# KiCad board mtt_final.kicad_pcb (continued)
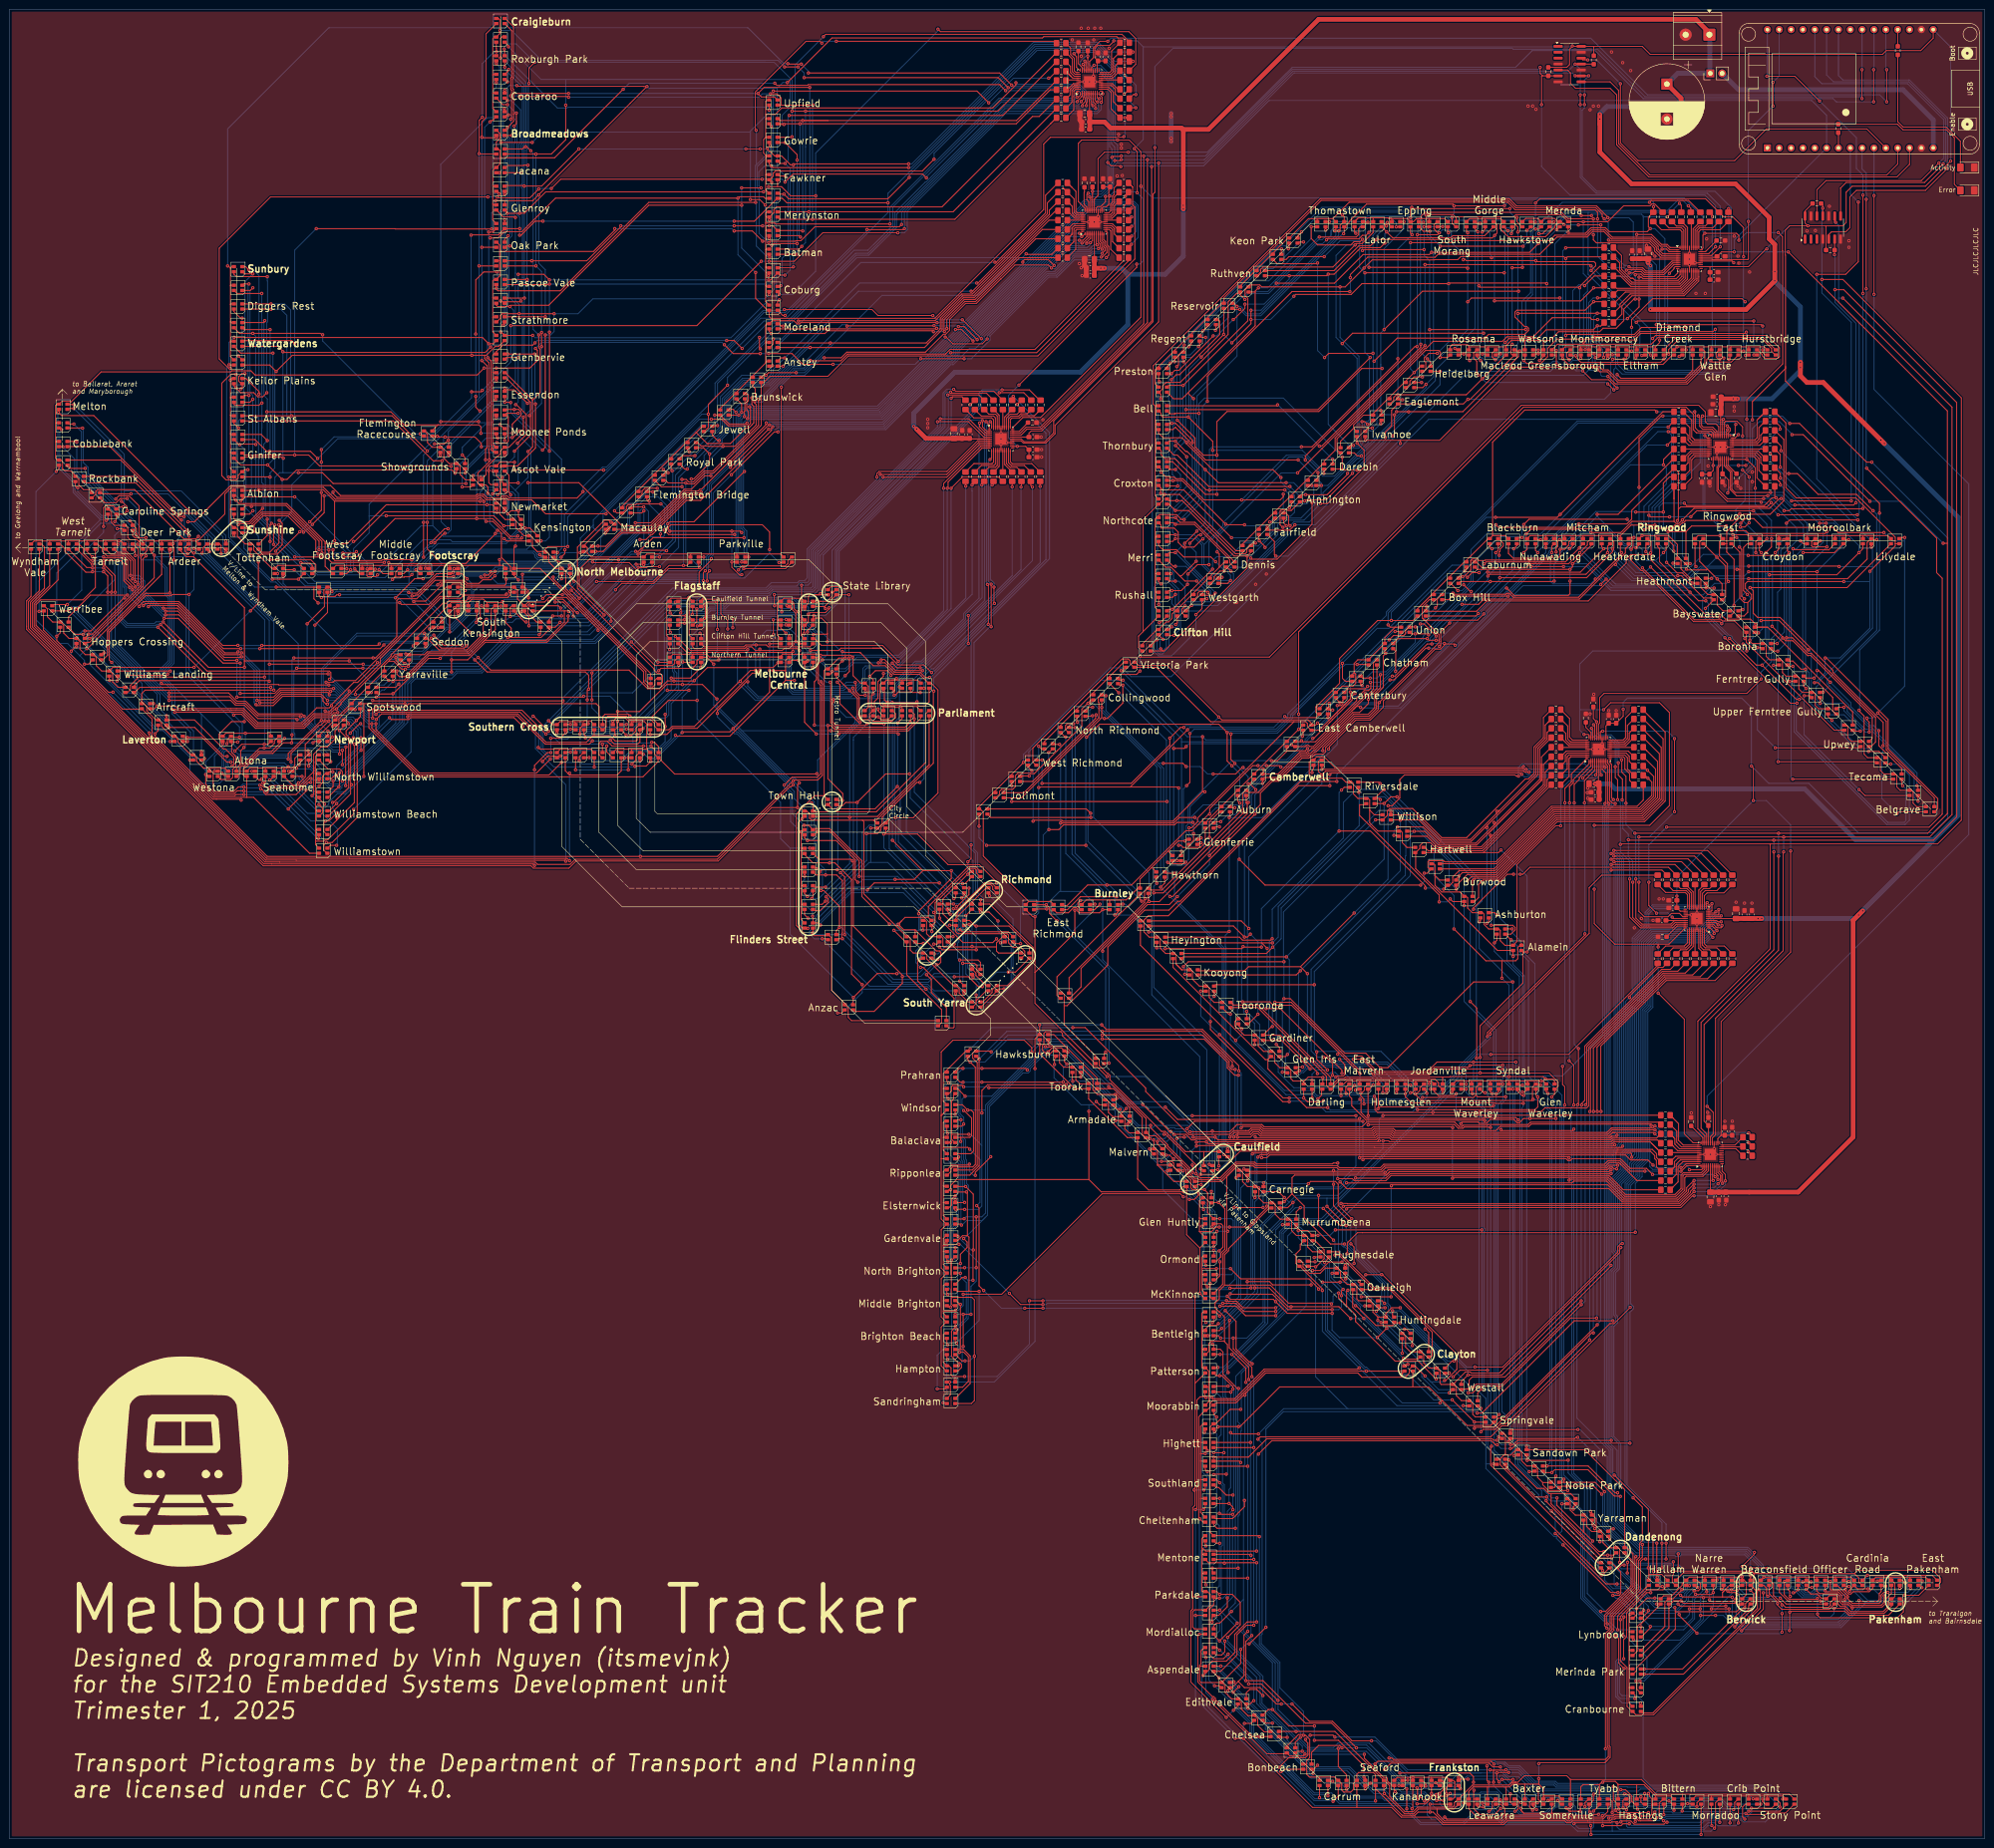
[diagram p0: board, top side]
## Routing (per net, layer and track width the routed paths; a pad name or vN(x,y) marks a point on that pad's centre or on a via; arc(x,y) is an arc through that point) (continued)
Net-(D293-BK): length 466.8
  Top w0.2: v1(250.4,202.1) 248.7,200.4 244.03,200.4 234.4,190.77 v1(234.4,190.4) ; D323.2 329.4,277.01 v1(329.42,276.99) ; v1(257.3,214.8) 257.3,218.17 259.43,220.3 D341.2 ; 302.95,261.88 306.5,258.33 306.5,257.07 306.5,257.07 306.5,256.57 293.53,243.6 293.53,242.29 291.63,240.4 288.53,240.4 282.2,234.07 282.2,233.15 281.74,232.69 280,232.69 279.36,232.05 279.34,232.05 279.34,232.05 278.85,232.05 278.6,231.8 277.1,231.8 272.15,226.85 270.77,226.85 268.21,224.29 268.21,221.81 266.81,220.41 266.8,220.41 266.45,220.06 266.45,220.05 v1(257.3,210.9) ; 302.95,261.88 303.43,261.4 314.77,261.4 v1(316.12,262.75) ; 302.95,261.88 302.95,264.31 304.44,265.8 D329.2 ; D431.2 255.83,143.57 255.49,143.57 v1(255.38,143.68) ; v1(374.78,255.52) 375.68,255.52 ; D299.2 224.57,198.63 227.05,198.63 228.18,199.77 228.68,199.77 229.04,199.42 229.04,198.98 229.38,198.63 233.74,198.63 v1(234.41,199.3) 235.9,199.3 ; v1(355.47,298.98) 356.61,300.12 ; 284.4,244.6 v1(285.3,243.7) ; v1(378.59,275.89) 379.4,276.7 D353.2 ; D293.2 226.35,236.35 v1(226.5,236.35) ; v1(378.59,234.03) 396.63,234.03 D305.2 ; v1(326.25,272.9) v1(333.2,272.9) ; v1(363.7,265.56) 362.17,265.56 v1(360.32,267.42) 353.8,273.93 353.8,276.73 353.4,277.13 D317.2
  Bottom w0.2: v1(378.59,275.89) 377,274.3 377,271.62 376.75,271.37 376.75,256.07 376.2,255.52 v1(374.78,255.52) ; v1(333.2,272.9) 338.23,272.9 343.33,267.8 359.9,267.8 360.3,267.4 ; v1(374.78,255.52) 374.78,237.84 v1(378.59,234.03) ; v1(374.78,255.52) 371.35,255.52 369.4,257.47 369.4,257.75 369.05,258.1 368.76,258.1 364.27,262.6 364.27,264.99 v1(363.7,265.56) ; v1(355.47,298.98) 351.15,298.98 329.77,277.6 329.75,277.6 329.42,277.27 v1(329.42,276.99) 329.4,276.97 329.4,275.9 326.4,272.9 v1(326.25,272.9) 326.25,272.6 321.27,267.62 320.99,267.62 316.39,263.02 316.39,263.01 v1(316.12,262.75) ; v1(257.3,214.8) 257.3,209 v1(250.4,202.1) ; v1(255.38,143.68) 255.32,143.68 255.21,143.79 255.21,167.78 234.41,188.58 v1(234.41,199.3) 234.44,199.33 234.44,203.42 226.5,211.36 v1(226.5,236.35) ; v1(285.3,243.7) 293.69,243.7 v1(293.72,243.74)
Net-(D293-GK): length 454.7
  Top w0.2: 331.29,278.9 331.99,278.2 331.99,277.23 331.61,276.85 v1(331.61,276.03) ; v1(296.5,249.4) 297.1,249.4 304,256.3 v1(305,256.3) ; v1(350.45,280.75) 350.65,280.75 351.01,281.12 356.42,281.12 v1(356.55,281.25) 357.1,281.8 357.13,281.8 357.2,281.74 358.08,281.74 358.66,282.31 358.94,282.31 359.29,282.66 359.29,282.8 369.5,282.8 370.95,284.25 v1(371,284.25) ; v1(282.85,233.75) 283,233.9 283,234.3 288.7,240 291.8,240 294.6,242.8 294.6,244.1 305.69,255.2 306.85,255.2 307.67,256.02 v1(307.67,256.43) 307.8,256.3 309.7,256.3 v1(309.97,256.03) ; D335.4 287,246.7 290.7,246.7 v1(291.2,247.2) ; v1(302.5,260.6) 303.3,260.6 v1(305.9,258) ; D353.4 380.6,278.9 v1(380.4,278.7) ; 307.13,266.9 306.15,265.92 306.15,264.45 v1(305.75,264.05) ; v1(257.25,144.65) 257.51,144.4 257.79,144.4 ; v1(356.84,276.19) 356.84,277.39 355.33,278.9 ; v1(238.73,200.49) 237.79,200.49 ; D311.4 v1(379,256.4) ; v1(262.73,221.16) 261.94,221.16 ; 356.38,297.61 R91.2 356.38,297.61 ; 356.38,297.61 354.64,295.86 v1(354.64,294.73) ; v1(272.6,229.9) 272.3,230.2 v1(269.5,230.2) ; v1(267.7,230.2) 266.6,230.2 257.35,220.95 v1(257.35,219.8) 257.14,219.8 253.57,216.23 252.23,216.23 240.59,204.59 v1(235.32,204.59) 231.18,204.59 226.76,200.17 225.93,200.17 ; D305.4 399.4,236.1 399.4,240.67 386.24,253.83 385.63,253.83 385.58,253.78 382.35,257 380.79,257 v1(380.2,257.6) 380.2,257.8 v1(377.9,260.1) ; v1(228.5,238.37) 227.23,238.37
  Bottom w0.2: v1(356.55,281.25) 356.55,276.48 v1(356.84,276.19) ; 331.61,276.7 331.61,278.8 347.54,294.73 v1(354.64,294.73) 355.24,294.13 355.24,290.6 350.45,285.81 v1(350.45,280.75) ; 331.61,276.7 v1(331.61,276.03) ; 331.61,276.7 330.64,276.7 330.08,276.14 330.08,275.86 321.44,267.22 321.16,267.22 316.72,262.79 316.72,262.5 310.25,256.03 v1(309.97,256.03) ; v1(305.75,264.05) 302.5,260.8 v1(302.5,260.6) ; v1(380.4,278.7) 379.91,278.21 379.21,278.21 ; v1(262.73,221.16) 258.71,221.16 v1(257.35,219.8) ; v1(291.2,247.2) 293.69,247.2 295.89,249.4 v1(296.5,249.4) ; v1(305.9,258) 305,257.1 v1(305,256.3) 305.13,256.43 v1(307.67,256.43) ; v1(377.9,260.1) 378,260.2 378,274.2 377.96,274.24 379.21,275.49 379.21,278.21 ; v1(282.85,233.75) 279,229.9 v1(272.6,229.9) ; v1(371,284.25) 371,283.4 376.19,278.21 379.21,278.21 ; v1(380.2,257.6) v1(379,256.4) ; v1(257.25,144.65) 257.32,144.72 257.32,150.17 256.73,150.76 256.73,169.23 244.93,181.03 244.93,194.82 239.26,200.49 v1(238.73,200.49) 238.73,201.65 235.8,204.59 v1(235.32,204.59) 228.5,211.41 v1(228.5,238.37) ; v1(267.7,230.2) v1(269.5,230.2)
Net-(D293-RK): length 434.7
  Top w0.2: v1(379.12,254.76) 378.24,254.76 D311.1 ; D323.1 330.68,277.28 v1(330.68,275.89) ; v1(261.54,194.64) 261.41,194.5 v1(244.29,194.5) ; 356.29,295.52 R90.2 356.29,295.52 ; 356.29,295.52 354.64,293.86 354.64,293.84 344.92,284.11 v1(340.42,284.11) ; D353.1 381.2,276.28 v1(381.59,275.89) 380.99,275.29 372.81,275.29 v1(372.8,275.3) ; D305.1 399.15,234.3 400.1,235.25 400.1,240.53 386.37,254.26 385.66,254.26 382.29,257.63 v1(381.02,257.63) ; D317.1 355.2,276.46 v1(354.64,275.89) ; D335.1 286.2,244.5 285.9,244.2 285.9,243.45 285.55,243.1 285.05,243.1 v1(284.7,243.1) ; 258.12,143.52 v1(259.08,143.52) ; v1(237.01,198.14) 237.7,198.83 D347.1 ; v1(237.4,202.07) 229.61,202.07 226.84,199.3 D299.1 ; v1(228.16,239.18) 226.8,239.18 226.43,238.82 226.43,237.96 227.09,237.3 ; D329.1 308.6,265.8 309.35,266.56 v1(321.34,266.56) ; D341.1 261.7,219.21 v1(261.54,219.06)
  Bottom w0.2: v1(381.59,275.89) 381.02,275.33 v1(381.02,257.63) 380.87,257.48 380.87,256.51 v1(379.12,254.76) ; 261.54,219.05 v1(261.54,194.64) 260.7,193.79 260.7,191.4 260.86,191.24 260.86,149.64 262.3,148.2 262.3,146.37 259.45,143.52 v1(259.08,143.52) ; 261.54,219.05 v1(261.54,219.06) ; 261.54,219.05 268.6,219.05 279.05,229.5 279.45,229.5 284.7,234.75 v1(284.7,243.1) 286,243.1 286.2,243.3 292.8,243.3 293.12,242.98 297.77,242.98 v1(321.34,266.56) v1(330.68,275.89) 331.17,275.4 332.12,275.4 340.42,283.7 ; 340.42,283.7 v1(340.42,284.11) ; 340.42,283.7 346.39,277.73 348.88,277.73 350.08,276.53 350.08,275.19 351.08,274.19 352.94,274.19 ; 352.94,274.19 354.11,273.02 359.75,273.02 359.88,272.88 360.53,272.88 363.17,275.52 372.58,275.52 v1(372.8,275.3) ; 352.94,274.19 v1(354.64,275.89) ; 237.01,202.07 v1(237.4,202.07) ; 237.01,202.07 v1(237.01,198.14) 240.65,198.14 v1(244.29,194.5) ; 237.01,202.07 236.99,202.07 227.84,211.22 227.84,238.86 v1(228.16,239.18)
Net-(D294-BK): length 442.8
  Top w0.2: v1(229.65,201.26) 229.59,201.26 229.11,200.78 229.11,199.97 229.78,199.3 ; v1(228.43,199.17) 228.43,194.37 219.89,185.82 ; D294.2 221.25,233.8 v1(220.68,234.37) ; v1(348.76,276.94) 349.4,277.58 ; v1(325.19,279.89) 326.21,280.91 335.93,280.91 336.02,281 340.07,281 v1(340.08,280.99) ; 232.82,166.3 219.89,179.23 219.89,185.82 ; 372.4,257.45 372.4,256.65 391.25,237.8 D306.2 ; 372.4,257.45 D312.2 ; 372.4,257.45 v1(372.08,257.45) ; v1(324.69,275.89) 325.4,276.6 D324.2 ; 219.89,185.82 v1(219.89,197.8) 219.4,197.8 D300.2 ; v1(318.64,283.46) 331.86,283.46 v1(332.5,284.1) 354.52,306.12 R95.2 ; D330.2 300.95,261.35 v1(296.3,261.35) 293.35,261.35 285.2,253.2 285.2,247.87 283.65,246.32 283.65,246.31 280.39,243.05 280.38,243.05 280.15,242.82 280.15,242.81 280.12,242.79 280.12,241.63 280.45,241.3 D336.2 280.1,240.5 273.8,240.5 273.5,240.8 ; v1(252.6,237.9) 240.3,225.6 ; 240.3,225.6 250.5,225.6 v1(250.7,225.4) ; 240.3,225.6 220.7,225.6 ; v1(350.13,272.62) 361.27,261.48 367.05,261.48 367.3,261.23 369.87,261.23 372.3,258.8 ; v1(250.7,213.1) 251.2,213.1 251.65,212.65 255.36,212.65 256.4,213.69 D342.2 ; v1(372.6,266.92) 371.8,267.73 371.8,277 372.6,277.8 D354.2
  Bottom w0.2: v1(229.65,201.26) 228.43,200.05 v1(228.43,199.17) ; v1(220.68,234.37) v1(220.68,225.5) 220.68,198.6 v1(219.89,197.8) ; v1(372.6,266.92) 373.25,266.27 373.25,258.63 v1(372.08,257.45) ; v1(318.64,283.46) 316.66,283.46 296.3,263.1 296.3,261.4 ; v1(252.6,237.9) 253.1,238.4 271.1,238.4 v1(273.45,240.75) ; v1(340.08,280.99) 342.56,280.99 346.22,277.33 346.77,277.33 348.37,277.33 v1(348.76,276.94) 348.76,273.99 v1(350.13,272.62) ; v1(250.7,225.4) v1(250.7,213.1) ; v1(324.69,275.89) 325.19,276.39 v1(325.19,279.89) 328.29,279.89 v1(332.5,284.1)
Net-(D294-GK): length 404.5
  Top w0.2: 376.9,259.9 374.42,259.9 v1(374.42,260.5) 373.29,261.63 367.92,261.63 366.86,262.69 363.58,262.69 351.97,274.3 351.97,275.48 ; v1(355.63,302.83) 355.63,302.85 R94.2 ; v1(374.42,275.9) 374.42,278.23 375.09,278.9 ; v1(303.9,264.42) 303.7,264.21 D330.4 ; v1(328.3,278.68) 327.42,278.68 ; 303.79,263.31 314.56,263.31 316.76,265.52 338.52,265.52 346.65,273.65 346.65,274.5 347.63,275.48 351.97,275.48 ; v1(225.39,217.89) 225.42,217.85 225.42,218.09 225.47,218.09 225.67,217.88 249.63,217.88 250.83,219.08 v1(254.16,219.08) ; v1(283.71,242.13) 282.97,242.13 282.84,242.26 282.84,243.46 v1(282.97,243.59) ; 351.97,275.48 351.97,275.75 v1(351.88,275.84) 351.98,275.94 351.98,278.2 351.28,278.9 ; v1(232.76,200.47) 231.77,200.47 ; D312.4 377,259.9 395.2,241.7 D306.4 ; v1(259.72,218.18) 258.48,218.18 D342.4 ; v1(235.05,168.75) 234.7,168.39 D432.4 ; v1(225.16,234.76) 223.84,234.76 ; v1(224.61,196.89) 223.02,198.48 223.02,199.71 222.38,200.35 v1(222.3,200.35) 219.75,200.35
  Bottom w0.2: v1(303.9,264.42) 303.9,263.76 300.71,260.56 300.21,260.56 283.24,243.59 v1(282.97,243.59) ; v1(232.76,200.47) 230.01,203.22 225.39,203.22 ; v1(235.05,168.75) 235.05,186.44 v1(224.61,196.89) ; v1(254.16,219.08) 255.06,218.18 v1(259.72,218.18) 261.2,219.66 262.74,219.66 265.02,221.94 265.02,224.27 271.82,231.07 274.03,231.07 278.22,235.26 278.22,235.65 282.47,239.9 282.95,239.9 283.3,240.25 283.3,241.51 283.71,241.92 v1(283.71,242.13) ; 225.39,203.22 225.16,203.22 v1(222.3,200.35) ; 225.39,203.22 v1(225.39,217.89) 225.39,234.53 v1(225.16,234.76) ; v1(374.42,275.9) 374.95,275.37 374.95,261.03 v1(374.42,260.5) ; v1(351.88,275.84) 352.2,276.17 352.2,285.6 356.74,290.14 356.74,301.71 v1(355.63,302.83) 352.45,302.83 v1(328.3,278.68)
Net-(D294-RK): length 405.9
  Top w0.2: v1(259.43,217.08) 258.48,217.08 D342.1 ; v1(350.86,276.11) 350.86,277.46 D318.1 ; v1(375.6,275.89) 375.2,276.29 D354.1 375.7,277.8 v1(376.8,278.9) ; v1(222.82,233.02) 222.92,233.02 D294.1 ; v1(327.69,275.89) 327.2,276.38 D324.1 ; v1(314.92,262.83) 314.39,262.3 D330.1 ; v1(360.5,283.6) 361.75,284.85 v1(373.95,284.85) ; v1(233.83,200.47) 232.66,199.3 D348.1 ; v1(355.67,301.85) 356.63,301.85 ; v1(375.55,261.32) 379.45,261.32 v1(385.72,255.05) ; v1(375,258.7) 374.3,258.7 ; v1(235.75,166.38) 234.78,166.38 ; v1(222.88,216.48) 224.99,216.48 226,217.48 249.8,217.48 250.33,218.01 v1(253.75,218.01) ; v1(351.5,283.9) 351.85,283.55 v1(355.95,283.55) ; v1(222.42,199.45) 219.85,199.45 ; v1(282.7,240.5) D336.1 ; v1(396.86,237.61) 395.39,237.61
  Bottom w0.2: v1(373.95,284.85) 376.8,282 v1(376.8,278.9) ; 227.89,194.53 v1(233.83,200.47) ; 227.89,194.53 222.96,199.45 v1(222.42,199.45) 222.33,199.45 221.65,200.13 221.65,215.3 222.82,216.48 ; 227.89,194.53 227.89,194.53 235.75,186.66 v1(235.75,166.38) ; 375.87,261.32 375.87,259.57 v1(375,258.7) ; 375.87,261.32 375.87,275.62 v1(375.6,275.89) ; 375.87,261.32 v1(375.55,261.32) ; v1(222.82,233.02) 222.82,216.48 ; 222.82,216.48 v1(222.88,216.48) ; v1(360.5,283.6) 356,283.6 v1(355.95,283.55) ; v1(259.43,217.08) 258.93,217.58 254.19,217.58 v1(253.75,218.01) 253.56,218.21 253.56,219.37 255.97,221.78 263.2,221.78 263.5,221.49 264.01,221.49 264.62,222.1 264.62,224.43 271.66,231.47 273.86,231.47 277.82,235.42 277.82,235.82 282.5,240.5 v1(282.7,240.5) 282.81,240.61 282.81,242.55 285.32,245.05 297.15,245.05 v1(314.92,262.83) 314.92,263.12 327.69,275.89 v1(327.69,275.89) 327.69,276.11 353.43,301.85 v1(355.67,301.85) 356.33,301.19 356.33,290.71 351.5,285.88 v1(351.5,283.9) 351.5,276.75 v1(350.86,276.11) ; v1(396.86,237.61) 393.37,241.1 389.82,241.1 386.33,244.59 386.33,254.44 v1(385.72,255.05)
Net-(D357-BK): length 452.8
  Top w0.2: v1(304.7,160.8) D375.2 305.5,160.3 306.38,159.42 309.82,159.42 v1(310.2,159.8) ; D411.2 348.7,26.6 352.54,26.6 375.4,49.46 375.4,53.1 v1(375.06,53.44) ; 281.34,160.64 281.34,159.5 v1(280.55,158.71) ; D393.2 409.38,52.23 v1(406.3,52.23) ; v1(331.57,77.79) 331.38,77.6 331.38,75.48 331.25,75.35 D423.2 ; v1(322.4,189.3) D357.2 319.05,190.55 301.51,208.09 301.51,211.55 302.4,212.44 302.4,213.02 303.02,213.64 304.71,213.64 306,212.35 315.71,212.35 329.3,225.94 329.3,228.81 R99.2 ; v1(329.85,159.87) 329.5,160.22 D369.2 ; v1(311.2,153.4) 311.52,153.72 314.9,153.72 315.16,153.46 316.67,153.46 317.5,154.3 322.55,154.3 323.25,153.6 323.75,153.6 324.65,154.5 v1(326,154.5) v1(331.57,154.5) ; 347.89,27.3 346.82,28.37 346.82,36.73 345.41,38.14 v1(345.41,47) 345.41,47.69 351.1,53.38 354.53,53.38 D417.2 ; v1(370.4,54.12) 371.27,54.12 ; v1(261.79,176.88) 261.42,176.88 D387.2 ; v1(394.57,53.1) 394.57,53.42 D399.2 396.26,53.59 v1(398.5,53.59)
  Bottom w0.2: 280.4,158.81 281.5,157.71 289.5,157.71 290.03,158.24 301.34,158.24 303.9,160.8 v1(304.7,160.8) ; 280.4,158.81 280.46,158.81 v1(280.55,158.71) ; 280.4,158.81 279.61,159.6 273.72,159.6 261.79,171.52 v1(261.79,176.88) ; v1(329.85,159.87) 329.85,158.95 331.57,157.22 v1(331.57,77.79) 331.57,76.1 337.3,70.37 337.3,51.77 341.91,47.16 345.25,47.16 v1(345.41,47) ; v1(310.2,159.8) 310.2,154.4 v1(311.2,153.4) ; v1(394.57,53.1) 394.57,53.1 394.2,53.1 393.29,52.19 387.39,52.19 386.9,51.7 384.37,51.7 382.43,53.64 375.26,53.64 v1(375.06,53.44) 374.18,52.56 371.96,52.56 v1(370.4,54.12) ; v1(326,154.5) 326,154.5 325.7,154.8 325.7,161.3 324.8,162.2 324.8,185.13 322.4,187.53 v1(322.4,189.3) ; v1(398.5,53.59) 399.62,53.59 401.73,51.49 402.22,51.49 402.23,51.49 405.55,51.49 v1(406.3,52.23)
Net-(D357-GK): length 426.9
  Top w0.2: 303.5,212.65 304.2,211.95 304.9,211.95 ; v1(305.14,212.34) 305.14,212.19 304.9,211.95 ; v1(305.14,212.34) 305.14,212.21 305.4,211.95 ; v1(305.14,212.34) 305.14,211.99 305.1,211.95 ; v1(329.34,163.02) 329.34,163 329.39,162.96 ; 307.2,163.39 308.79,163.39 308.9,163.5 328.85,163.5 329.39,162.96 ; 307.2,163.39 304.44,163.39 304.4,163.35 286.42,163.35 286.17,163.1 284.97,163.1 283.77,161.9 D381.4 283.3,163.3 267.76,178.84 262.42,178.84 261.87,179.4 ; 307.2,163.39 307.3,163.29 D375.4 ; v1(348.7,60.5) 348.5,60.3 348.5,53.89 342.4,47.79 342.4,46.3 v1(342.6,46.1) ; R98.2 329.7,227.21 329.7,225.78 315.87,211.95 305.4,211.95 ; 333.3,76.45 333.28,76.47 v1(333.28,77.13) ; 333.3,76.45 339.98,76.45 v1(341.99,74.44) ; 333.3,76.45 D423.4 ; 329.39,162.96 330.84,162.96 331.3,162.5 D369.4 ; D393.4 412.24,56.51 v1(398.36,56.51) D399.4 ; v1(349.7,29.1) 349.7,28.5 ; 320,188.33 322.94,188.33 323.4,188.79 323.4,191.2 324.2,192 D357.4 ; 320,188.33 316.55,188.33 v1(309.72,195.16) ; 320,188.33 v1(320,184.6) ; 357.52,55.67 358.85,57 372.7,57 v1(373.3,56.4) D405.4 ; 304.9,211.95 305.1,211.95 ; 305.1,211.95 305.4,211.95 ; v1(373.3,58.1) 376.8,58.1 v1(376.9,58)
  Bottom w0.2: 348.7,60.8 342,67.5 342,74.43 v1(341.99,74.44) ; 348.7,60.8 v1(348.7,60.5) ; 348.7,60.8 357,60.8 357.3,60.5 358.05,60.5 358.45,60.9 372.07,60.9 373.3,59.67 v1(373.3,58.1) v1(373.3,56.4) ; v1(342.6,46.1) 342.67,46.1 345,43.77 345,38.63 344.44,38.07 344.44,30.46 345.8,29.1 v1(349.7,29.1) ; v1(305.14,212.34) 305.44,212.04 305.44,206.62 309.72,202.34 v1(309.72,195.16) ; v1(398.36,56.51) 395.59,56.51 394.1,58 v1(376.9,58) ; v1(321.5,163.5) 321.5,183.1 v1(320,184.6) ; v1(333.28,77.13) 332.88,77.54 332.88,159.49 v1(329.34,163.02)
Net-(D357-RK): length 414.6
  Top w0.2: 283.2,160.8 282.4,161.6 282.4,163.55 267.65,178.3 D387.1 ; 356.75,57.4 373.58,57.4 ; 356.75,57.4 v1(356.75,59.4) ; 356.75,57.4 356.75,56.67 356.53,56.45 356.53,55.01 357.19,54.35 ; 373.58,57.4 374.05,56.93 ; 373.58,57.4 374.05,56.93 ; 373.58,57.4 373.55,57.4 374.08,56.86 395.58,56.86 ; 395.58,56.86 396.55,55.9 396.55,55.01 397.2,54.35 ; 395.58,56.86 395.82,57.11 395.82,57.12 396.3,57.6 412.33,57.6 414.09,55.84 414.09,55.05 413.39,54.35 ; 316.04,211.55 319.25,211.55 v1(319.8,212.1) ; 316.04,211.55 R97.2 ; 316.04,211.55 D363.1 ; D369.1 331.3,159.74 v1(330.68,159.12) ; 324.53,190.22 D357.1 ; 324.53,190.22 v1(325.4,190.22) ; 324.53,190.22 324.53,183.58 315.33,174.39 v1(315.33,167.6) ; 374.02,54.98 373.34,54.31 374.79,52.86 374.78,52.85 374.78,49.41 352.37,27 350.1,27 D411.1 ; 374.02,54.98 374.08,55.04 ; 374.02,54.98 374.05,55.02 374.05,56.93 ; 331.42,160.8 332.06,161.44 332.06,162.31 330.13,164.24 315.33,164.24 ; v1(307.37,160.03) 307.3,160.1 D375.1 ; 315.33,164.24 v1(310.74,164.24) ; 315.33,164.24 v1(315.33,164.3) ; 332.55,75.6 v1(333.96,75.6) 339.7,75.6 v1(341.4,73.9) ; 307.2,160.8 306.4,161.6 306.4,162.19 305.64,162.95 286.58,162.95 286.33,162.7 285.13,162.7 284.14,161.71 284.14,161.56 283.38,160.8
  Bottom w0.2: 356.7,59.4 356.4,59.1 348.5,59.1 348,59.6 348,60.35 348,60.35 348,60.93 341.6,67.34 341.6,73.7 v1(341.4,73.9) ; v1(319.8,212.1) 325.4,206.5 v1(325.4,190.22) ; v1(307.37,160.03) 307.37,160.05 310.74,163.42 v1(310.74,164.24) ; v1(330.68,159.12) 332.48,157.32 332.48,77.09 v1(333.96,75.6) ; v1(315.33,167.6) v1(315.33,164.3)
Net-(D358-BK): length 468.5
  Top w0.2: v1(367.1,53.5) 367.3,53.5 367.5,53.7 D406.2 ; v1(344.81,44.81) 344.81,47.78 351.38,54.35 ; 318.72,217.88 318.43,217.88 v1(318.31,218) 318.42,217.9 318.42,217.58 318.32,217.48 ; 318.72,217.88 318.32,217.48 ; 318.72,217.88 328.1,227.26 328.1,233.71 R102.2 ; v1(297.62,217.04) 303.11,217.04 306.6,213.56 314.39,213.56 318.32,217.48 ; D388.2 255.45,181.8 v1(255.43,181.83) ; D370.2 324.89,160.19 v1(324.38,160.19) ; v1(300.4,160.02) 300.72,160.02 D376.2 ; v1(364.5,51.25) 364.85,50.9 369.4,50.9 370,51.5 v1(370.2,51.5) ; v1(259.46,172.5) 259.5,172.5 273.1,158.9 v1(274.4,158.9) ; D400.2 391.9,54.35 394.1,52.15 v1(394.1,51.9) 394.1,51.52 395.12,50.5 400.9,50.5 401.3,50.9 401.3,52.26 401.89,52.85 v1(402.75,52.85) ; v1(407.6,53.7) 407.6,54.25 ; D382.2 v1(277.5,158.9) 278.29,158.11 281.51,158.11 v1(281.73,158.33) ; v1(289.58,158.64) 289.8,158.41 289.8,155.8 291.08,154.52 315.92,154.52 316.1,154.7 323,154.7 v1(323.5,154.2) ; v1(318.38,192.17) 318.9,192.69 D358.2 ; D412.2 348.5,30.8 v1(348.5,30.08) ; v1(325.86,78.74) 326.89,78.74 ; v1(296.85,215.23) 297.72,215.23
  Bottom w0.2: 373.8,46.5 372.66,46.5 ; 373.8,46.5 372.7,46.5 371.4,47.8 371.4,50.6 370.5,51.5 v1(370.2,51.5) ; 373.8,46.5 392.2,46.5 394.1,48.4 v1(394.1,51.9) ; v1(255.43,181.83) 255.43,176.47 258.7,173.2 258.76,173.2 v1(259.46,172.5) ; 345.4,44.81 358.95,44.81 361.3,47.16 361.3,51.39 363.51,53.6 364.6,53.6 ; 345.4,44.81 v1(344.81,44.81) 342.86,46.76 341.74,46.76 336.9,51.6 336.9,70.2 328.36,78.74 v1(325.86,78.74) 323.85,80.75 323.85,154 ; 345.4,44.81 345.4,38.47 344.84,37.9 344.84,30.63 345.39,30.08 v1(348.5,30.08) ; 323.85,154 323.7,154 v1(323.5,154.2) 323.7,154.4 323.85,154.4 ; 323.85,154 323.85,154.4 ; v1(364.5,51.25) 364.5,52.73 364.5,53.5 364.6,53.6 ; v1(318.31,218) 318.31,192.24 v1(318.38,192.17) 318.38,190.34 323.75,184.97 323.75,160.83 v1(324.38,160.19) 323.85,159.66 323.85,154.4 ; v1(367.1,53.5) 367,53.6 364.6,53.6 ; v1(277.5,158.9) v1(274.4,158.9) ; v1(296.85,215.23) 296.85,216.27 v1(297.62,217.04) ; v1(281.73,158.33) 281.95,158.11 289.05,158.11 v1(289.58,158.64) 299.01,158.64 v1(300.4,160.02) ; v1(407.6,53.7) 407.6,53.4 407.05,52.85 v1(402.75,52.85)
Net-(D358-GK): length 477.4
  Top w0.2: 328.5,227.05 328.5,232.06 R101.2 ; 328.5,227.05 317.03,215.57 316.97,215.57 ; 328.5,227.05 328.5,230.58 328.5,227.1 316.97,215.57 ; v1(353.3,56.1) D418.4 ; D406.4 369.57,55.18 v1(370.37,55.18) ; v1(328.28,161.68) 327.52,161.68 ; v1(280.3,168.8) 280.3,167.2 v1(282.6,164.9) ; v1(279.78,183.2) 258.6,183.2 D388.4 ; v1(301.4,159.79) 301.68,159.79 ; 301.68,159.79 302.42,160.53 302.42,161.13 303.19,161.9 ; 301.68,159.79 301.68,159.45 302.77,158.36 326.46,158.36 v1(326.7,158.6) 326.55,158.75 326.55,161.25 327.2,161.9 ; v1(322.18,195.17) 320.72,195.17 ; v1(349.6,33.85) 349.8,33.64 D412.4 ; v1(353.3,57.3) 353.2,57.4 v1(353.2,63.4) ; 316.97,215.57 314.55,213.15 306.37,213.15 303.41,216.11 v1(301.21,216.11) 299.74,216.11 ; v1(394.37,55.18) 393.57,55.18 D400.4 ; D394.4 409.95,55.45 v1(410.1,55.3) ; v1(344.8,74.2) 344.24,74.2 338.49,79.95 v1(329.65,79.95) D424.4 ; D382.4 v1(279.3,162.7)
  Bottom w0.2: v1(344.8,74.2) 344.8,68.7 349.79,63.71 350.49,63.71 350.6,63.6 353,63.6 v1(353.2,63.4) ; v1(329.65,79.95) 330.31,80.61 330.31,155.92 327.72,158.52 326.78,158.52 v1(326.7,158.6) ; v1(301.4,159.79) 301.4,161.58 294.08,168.9 280.4,168.9 v1(280.3,168.8) 279.8,169.3 279.8,183.18 v1(279.78,183.2) 279.78,186.03 300.37,206.63 300.37,215.27 v1(301.21,216.11) ; v1(322.18,195.17) 322.18,194.38 324.09,192.47 324.09,190.68 327.07,187.7 327.07,162.89 v1(328.28,161.68) ; v1(410.1,55.3) 410.1,54.78 406.41,51.08 398.46,51.08 v1(394.37,55.18) 394.28,55.18 392.89,53.79 387.29,53.79 386.4,52.9 384.97,52.9 384.62,53.25 384.62,54.13 383.35,55.4 381.6,55.4 381.6,55.35 380.69,54.44 371.11,54.44 v1(370.37,55.18) 369.8,54.61 ; v1(282.6,164.9) 280.2,164.9 279.3,164 v1(279.3,162.7) ; 369.8,54.61 369.8,53.1 350.55,33.85 v1(349.6,33.85) ; 369.8,54.61 369.51,54.9 359.8,54.9 359.3,54.4 359.3,53.3 358.82,52.82 356.58,52.82 v1(353.3,56.1) 353.2,56.2 353.2,57.2 v1(353.3,57.3)
Net-(D358-RK): length 439.3
  Top w0.2: v1(257.5,175.3) 257.5,173.61 273.01,158.1 v1(274.4,158.1) ; v1(301.9,156.4) 327.1,156.4 327.69,156.99 v1(327.69,159.12) 327.3,159.5 D370.1 ; D364.1 303.9,215.05 306.2,212.75 315.54,212.75 317.49,214.71 ; 317.49,214.71 328.9,226.11 328.9,230.41 R100.2 ; 317.49,214.71 317.49,215.19 v1(317.55,215.25) ; 367.88,53.42 367.3,52.85 367.3,51.85 ; 367.88,53.42 368.8,54.35 D406.1 ; 367.88,53.42 367.35,52.9 ; v1(321.97,192.83) 321.92,192.83 D358.1 321.92,194.05 322.84,194.97 322.84,195.44 322.33,195.95 v1(317.71,195.95) ; v1(303.9,159.9) 303.9,160.2 D376.1 ; 367.3,51.85 369.32,51.85 v1(369.37,51.8) 369.37,51.8 369.37,51.82 ; 367.3,51.85 358.67,51.85 v1(358.3,52.22) ; v1(410.04,53.86) 409.79,53.86 D394.1 ; D424.1 329.1,78.55 v1(330.71,78.55) 331.32,79.15 338.44,79.15 344.09,73.5 345.33,73.5 v1(345.4,73.43) ; D388.1 v1(258.3,180.7) ; 393.53,54.12 v1(394.4,54.12) ; v1(352.5,57.3) 352.4,57.4 352.4,64.1 v1(352.5,64.2) ; 353.53,54.12 v1(354.4,54.12) ; v1(348.75,33.85) 348.92,33.68 348.92,32.07 349.69,31.3 ; D382.1 v1(279.3,158.9)
  Bottom w0.2: v1(358.3,52.22) 358.28,52.22 358.11,52.4 356.12,52.4 354.71,53.81 ; 280.5,157.7 282.3,155.9 300.8,155.9 301.58,156.68 ; 280.5,157.7 v1(279.3,158.9) ; 280.5,157.7 280,158.2 274.5,158.2 v1(274.4,158.1) ; v1(303.9,159.9) 303.9,159 301.58,156.68 ; v1(345.4,73.43) 345.4,73.4 345.2,73.2 345.2,68.87 349.96,64.11 352.49,64.11 ; v1(352.5,57.3) 352.5,56.02 354.71,53.81 ; 301.58,156.68 301.62,156.68 v1(301.9,156.4) ; v1(317.71,195.95) 317.71,215.09 v1(317.55,215.25) ; v1(257.5,175.3) 257.5,179.9 v1(258.3,180.7) ; v1(330.71,78.55) 330.71,156.09 v1(327.69,159.12) 327.68,159.13 327.68,161.6 325.7,163.58 325.7,188.3 323.32,190.68 323.32,191.48 v1(321.97,192.83) ; 354.71,53.81 v1(354.4,54.12) ; v1(394.4,54.12) 397.87,50.65 ; 397.87,50.65 406.82,50.65 v1(410.04,53.86) ; 397.87,50.65 397.87,50.47 392.7,45.3 372.1,45.3 369.37,48.03 369.37,51.8 v1(369.37,51.8) ; v1(348.75,33.85) 349.34,34.45 350.58,34.45 363.2,47.07 v1(363.2,51.7)
Net-(D359-BK): length 476.7
  Top w0.2: v1(273.27,180.2) 273.28,180.21 274.62,180.21 286.33,168.5 290.8,168.5 v1(294,165.3) 294.1,165.4 295.54,165.4 313.93,183.79 v1(322.32,183.79) ; D359.2 315.4,196.94 v1(315.13,196.67) ; 395.12,49.7 401.51,49.7 402.35,50.53 402.35,51.47 403.5,52.62 D395.2 ; 395.12,49.7 394.79,49.7 394.27,50.21 392.99,50.21 392.45,50.75 392.45,52.03 391.93,52.55 388.1,52.55 387.5,53.15 D401.2 ; 395.12,49.7 v1(395.12,49.5) ; v1(292.93,218.57) 294.38,218.57 ; v1(272.92,164.44) 273.86,164.44 ; v1(322.62,82.18) 322.75,82.3 323.45,82.3 ; D377.2 297.5,160.11 v1(297.39,160) ; 348.11,35.3 348.88,36.07 348.88,36.68 357.17,44.97 357.17,48.8 ; D419.2 343.98,60.83 v1(342.67,60.83) 341.01,60.83 329.49,72.34 v1(329.49,72.51) ; 371.25,50.1 v1(370.8,50.1) 370.8,49.2 370.3,48.7 357.28,48.7 357.17,48.8 ; v1(357.06,49.59) 357.17,49.47 357.17,48.8 ; 357.17,48.8 357.21,48.77 ; v1(322.32,160.8) D371.2 ; R105.2 328.9,240.51 328.9,236.21 326.89,234.21 326.89,228.56 325.66,227.34 325.01,227.34 312.43,214.76 307.1,214.76 300.86,221 295.95,221 295.45,220.5 295.45,219.53 294.47,218.55 ; v1(251.71,187.07) 252.77,188.13 v1(273.27,188.13) ; v1(252.01,185.44) 252.86,185.44
  Bottom w0.2: v1(357.06,49.59) 352.79,49.59 342.67,59.71 v1(342.67,60.83) ; v1(251.71,187.07) 252.01,186.77 v1(252.01,185.44) ; v1(395.12,49.5) 395.12,48.85 392.37,46.1 372.5,46.1 370.8,47.8 v1(370.8,50.1) ; v1(329.49,72.51) 328.5,73.5 328.5,74.68 322.88,80.3 322.88,81.8 ; v1(294,165.3) 294.06,165.3 297.39,161.97 v1(297.39,160) ; v1(272.92,164.44) 272.92,179.85 v1(273.27,180.2) v1(273.27,188.13) 273.16,188.24 273.16,198.8 v1(292.93,218.57) ; 322.87,82.6 322.87,89.94 322.32,90.5 v1(322.32,160.8) v1(322.32,183.79) 315.13,190.98 v1(315.13,196.67) ; 322.87,82.6 322.87,82.43 v1(322.62,82.18) 322.88,81.93 322.88,81.8 ; 322.88,82.6 322.88,81.8
Net-(D359-GK): length 467.8
  Top w0.2: R104.2 329.85,239.47 R104.2 ; R104.2 329.3,238.91 329.3,236.04 327.29,234.04 327.29,228.4 319.5,220.6 ; v1(346.2,36.5) 345.01,37.69 345.01,42.92 v1(344.36,43.56) ; D413.4 v1(350.5,36.4) 358.72,36.4 372.25,49.94 372.25,50.47 373.23,51.45 ; v1(406.45,54.87) 405.87,55.45 D395.4 ; 319.5,220.6 319.3,220.4 v1(318.93,220.4) 318.93,220.03 318.8,219.9 ; 319.5,220.6 318.8,219.9 ; v1(324.4,161.68) 323.52,161.68 ; 389.54,55.21 v1(390.4,55.21) 390.4,53.5 390.55,53.35 392.27,53.35 393.5,52.12 v1(393.5,51.3) ; v1(300.4,161.68) 299.52,161.68 ; 276.81,187.07 v1(288.33,198.58) ; 276.81,187.07 v1(278.3,185.57) ; 276.81,187.07 265.68,187.07 264.8,186.19 255.01,186.19 ; v1(325.3,84.2) D425.4 337.75,83.45 346.3,74.9 D419.4 346.75,62.45 348.1,61.1 348.1,54.05 342,47.95 342,45.7 v1(342.5,45.2) ; v1(318.93,198.15) 318.43,198.65 D359.4 ; 318.8,219.9 313.25,214.36 306.93,214.36 301.64,219.65 D365.4 v1(296.2,220.4) ; v1(277.26,165.55) 275.95,165.55